# Altium PCB Thunderscope_Rev4.1.PCBDOC (part 1 of 7) (continued)
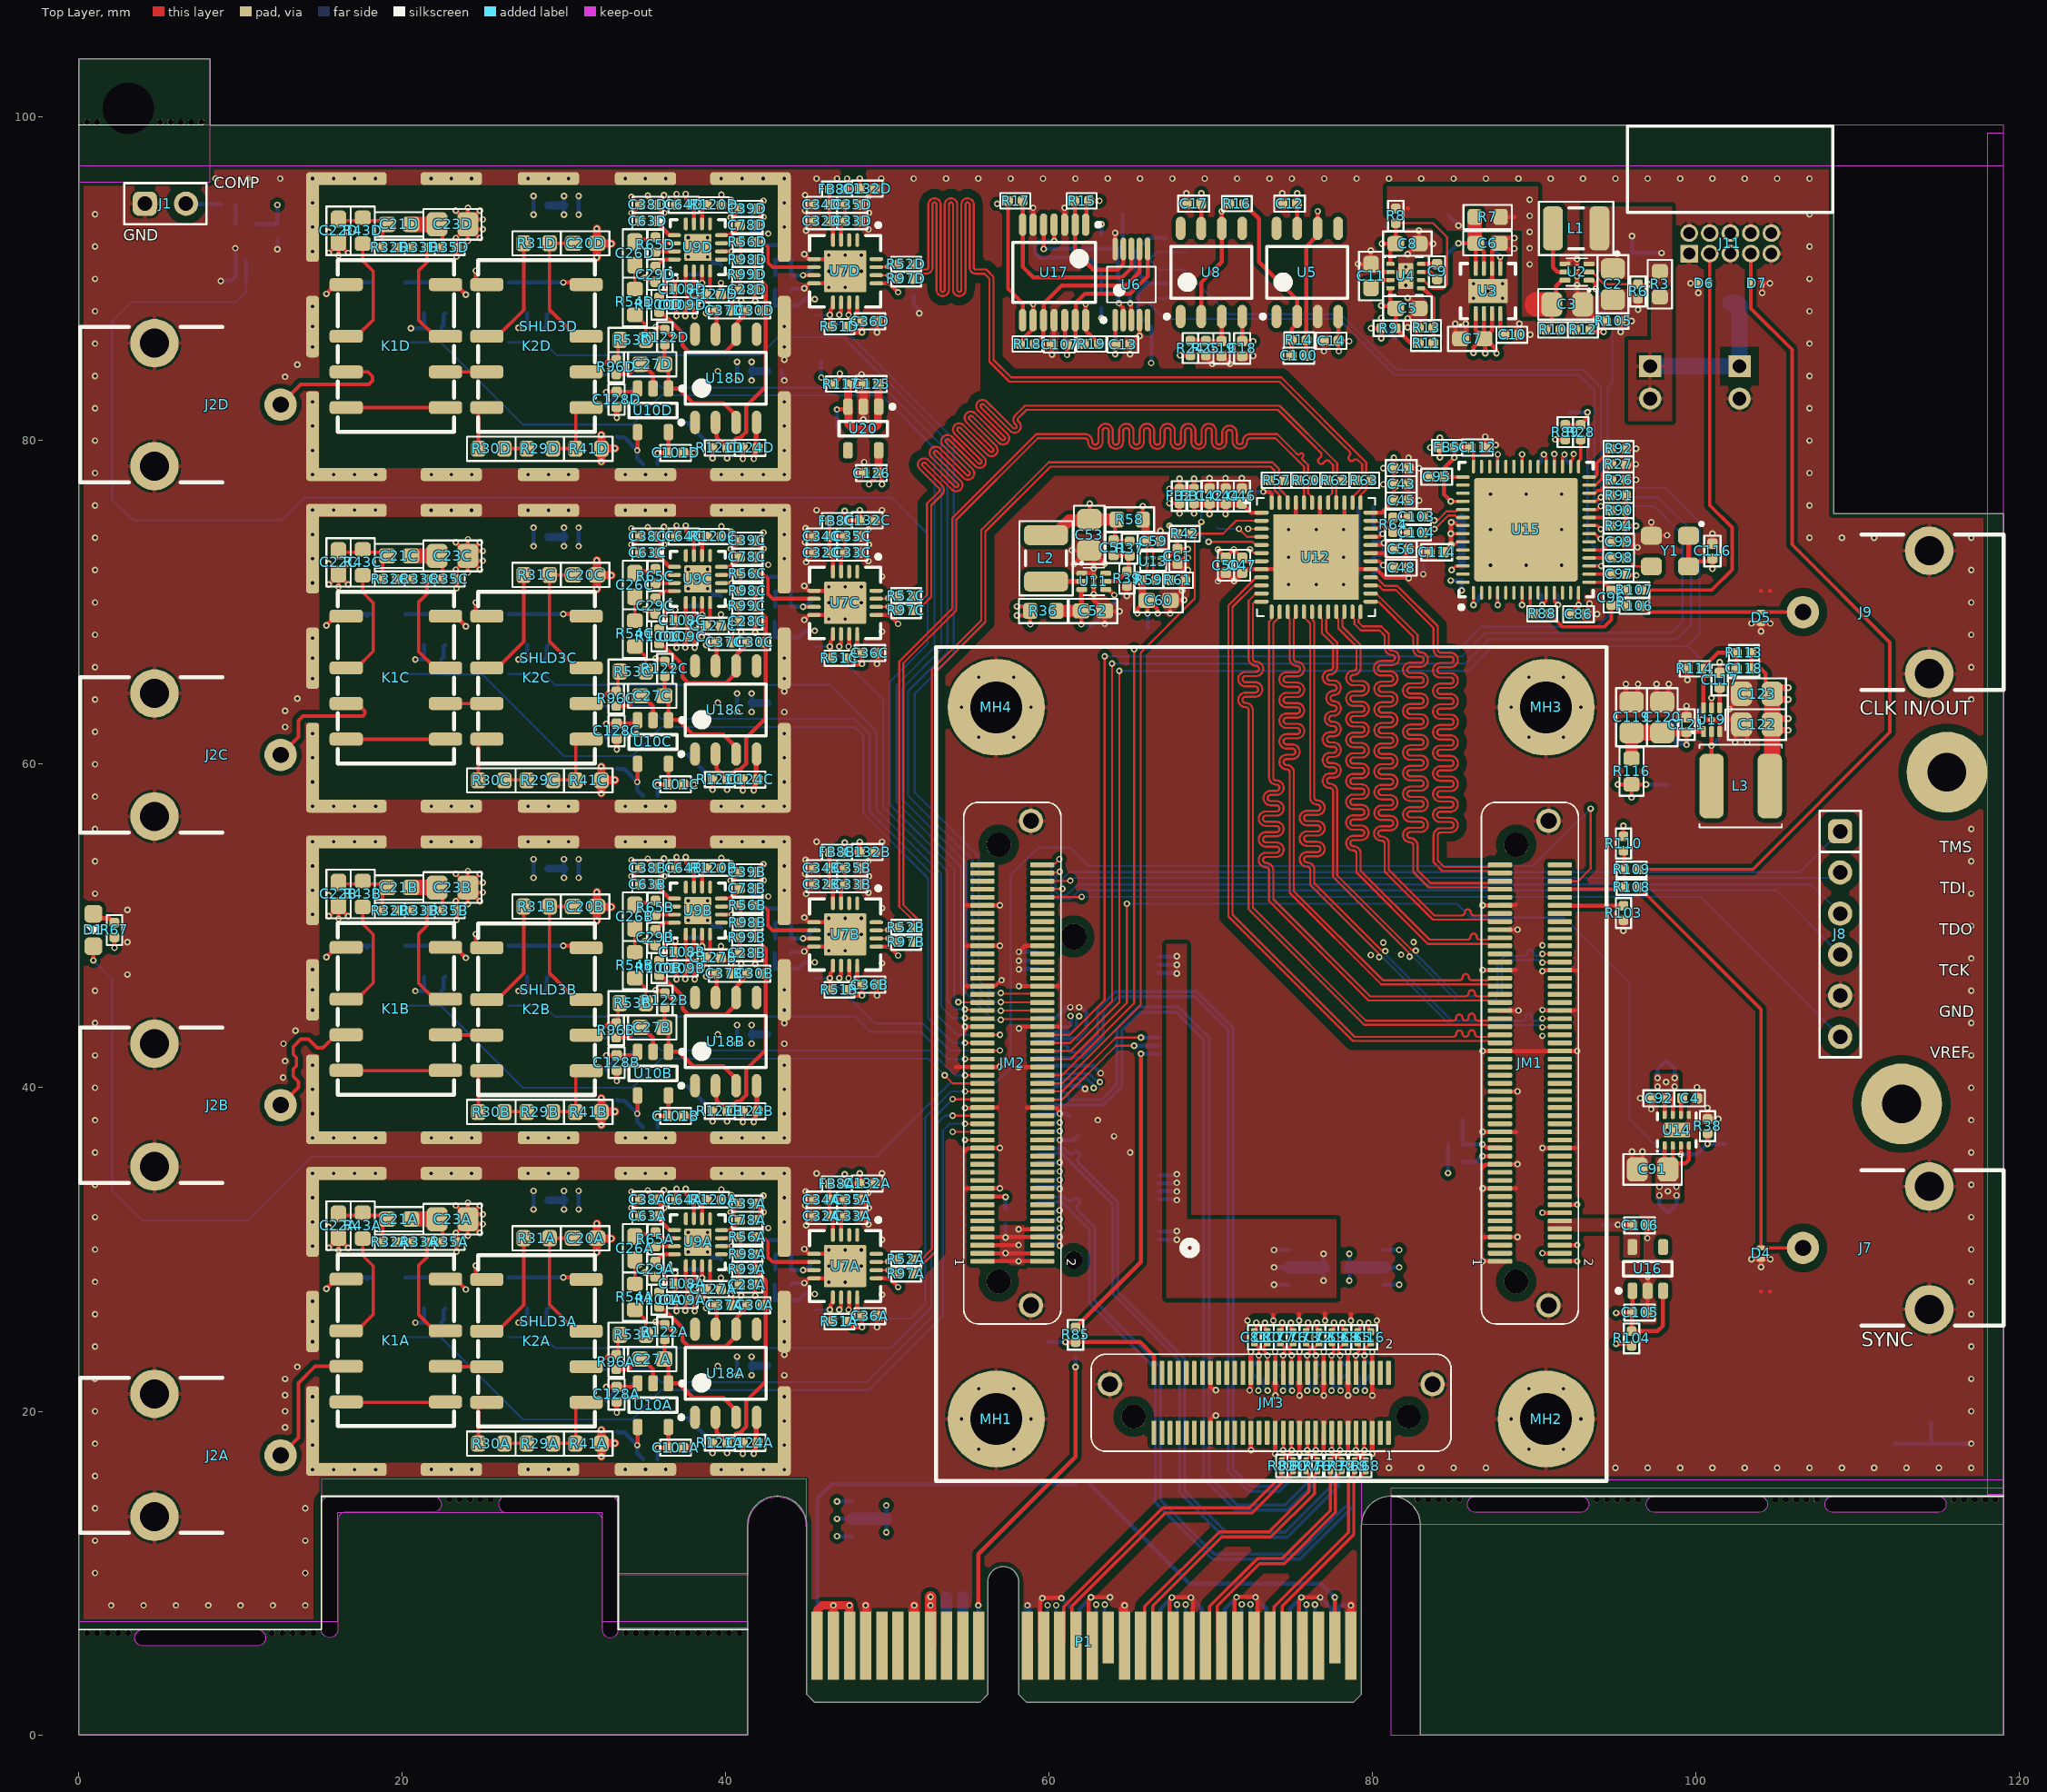
[diagram p0: Top Layer view]
## Classes and differential pairs
component class POWER: C2 C3 C4 C91 C92 C117 C118 C119 C120 C121 C122 C123 J12 J13 L1 L3 R3 R6 R10 R12 R38 R105 R113 R114 R115 TP3 TP18 TP32 TP47 U2 U14 U19
net class 50Z: NetJ2A_1 NetJ2B_1 NetJ2C_1 NetJ2D_1
differential pair class 100Z_Diff: D1A D1B D2A D2B D3A D3B D4A D4B FCLK LCLK
differential pair class PCIe: M2_PER0 M2_PER1 M2_PER2 M2_PER3 M2_PET0 M2_PET1 M2_PET2 M2_PET3 M2_REFCLK MGT_CLK1 MGT_RX0 MGT_RX1 MGT_RX2 MGT_RX3 MGT_TX0 MGT_TX1 MGT_TX2 MGT_TX3 PCIe_PER0 PCIe_PER1 PCIe_PER2 PCIe_PER3 PCIe_PET0 PCIe_PET1 PCIe_PET2 PCIe_PET3 PCIe_REFCLK
net class TERM_[4..1]: TERM_1 TERM_2 TERM_3 TERM_4
differential pair class 100Z_Diff_PGA: CH1 CH2 CH3 CH4
channel class FE_Channel: CH1 CH2 CH3 CH4
net class PGA_CSn_[4..1]: PGA_CSn_1 PGA_CSn_2 PGA_CSn_3 PGA_CSn_4
net class DC_CPL_[4..1]: DC_CPL_1 DC_CPL_2 DC_CPL_3 DC_CPL_4
net class ATTEN_[4..1]: ATTEN_1 ATTEN_2 ATTEN_3 ATTEN_4
component class PLL: C82 C83 C84 C85 C86 C87 C88 C89 C90 C93 C94 C95 C96 C97 C98 C99 C112 C113 C114 C115 C116 FB5 R26 R27 R28 R88 R89 R90 R91 R92 R93 R94 R111 TP42 TP43 TP44 U15 Y1
component class PCIe_X4: P1 R86 R87 R116 TP40 TP41 TP50 TP51
component class M.2_Key_M: J10 R95 TP45 TP46
component class "Front End": C5 C6 C7 C8 C9 C10 C11 C12 C13 C14 C17 C18 C19 C100 C107 C125 C126 Q1 Q2 R7 R8 R9 R11 R13 R14 R15 R16 R17 R18 R19 R20 R21 R22 R23 R24 R25 R117 TP9 TP10 TP11 TP12 TP13 TP15 TP16 TP17 TP19 TP20 TP21 TP52 TP53 TP54 U3 U4 U5 U6 U8 U17 U20
component class "FPGA Module": C15 C16 C40 C62 C65 C66 C67 C68 C69 C70 C71 C72 C73 C74 C75 C76 C77 C79 C80 C81 C105 C106 D1 J8 JM1 JM2 JM3 MH1 MH2 MH3 MH4 R66 R67 R68 R69 R70 R71 R72 R73 R74 R75 R76 R77 R78 R79 R80 R81 R82 R83 R84 R85 R101 R102 R103 R104 TP2 TP14 TP30 TP31 TP39 U16
component class "Edge Connector": P1
component class CH4: C20D C21D C22D C23D C26D C27D C28D C29D C30D C31D C32D C33D C34D C35D C36D C37D C38D C39D C63D C64D C78D C101D C102D C108D C109D C110D C111D C124D C127D C128D C129D C130D C131D C132D C133D D2D D3D FB4D FB6D FB7D FB8D FB9D FB10D J2D J3D J4D K1D K2D Q3D Q4D Q5D R29D R30D R31D R32D R33D R35D R41D R43D R47D R48D R49D R50D R51D R52D R53D R54D R55D R56D R65D R96D R97D R98D R99D R100D R118D R119D R120D R121D R122D R123D R124D R125D R126D R127D SHLD3D TP22D TP23D TP24D TP25D TP26D U7D U9D U10D U18D
component class CH3: C20C C21C C22C C23C C26C C27C C28C C29C C30C C31C C32C C33C C34C C35C C36C C37C C38C C39C C63C C64C C78C C101C C102C C108C C109C C110C C111C C124C C127C C128C C129C C130C C131C C132C C133C D2C D3C FB4C FB6C FB7C FB8C FB9C FB10C J2C J3C J4C K1C K2C Q3C Q4C Q5C R29C R30C R31C R32C R33C R35C R41C R43C R47C R48C R49C R50C R51C R52C R53C R54C R55C R56C R65C R96C R97C R98C R99C R100C R118C R119C R120C R121C R122C R123C R124C R125C R126C R127C SHLD3C TP22C TP23C TP24C TP25C TP26C U7C U9C U10C U18C
component class CH2: C20B C21B C22B C23B C26B C27B C28B C29B C30B C31B C32B C33B C34B C35B C36B C37B C38B C39B C63B C64B C78B C101B C102B C108B C109B C110B C111B C124B C127B C128B C129B C130B C131B C132B C133B D2B D3B FB4B FB6B FB7B FB8B FB9B FB10B J2B J3B J4B K1B K2B Q3B Q4B Q5B R29B R30B R31B R32B R33B R35B R41B R43B R47B R48B R49B R50B R51B R52B R53B R54B R55B R56B R65B R96B R97B R98B R99B R100B R118B R119B R120B R121B R122B R123B R124B R125B R126B R127B SHLD3B TP22B TP23B TP24B TP25B TP26B U7B U9B U10B U18B
component class CH1: C20A C21A C22A C23A C26A C27A C28A C29A C30A C31A C32A C33A C34A C35A C36A C37A C38A C39A C63A C64A C78A C101A C102A C108A C109A C110A C111A C124A C127A C128A C129A C130A C131A C132A C133A D2A D3A FB4A FB6A FB7A FB8A FB9A FB10A J2A J3A J4A K1A K2A Q3A Q4A Q5A R29A R30A R31A R32A R33A R35A R41A R43A R47A R48A R49A R50A R51A R52A R53A R54A R55A R56A R65A R96A R97A R98A R99A R100A R118A R119A R120A R121A R122A R123A R124A R125A R126A R127A SHLD3A TP22A TP23A TP24A TP25A TP26A U7A U9A U10A U18A
component class ADC: C41 C42 C43 C44 C45 C46 C47 C48 C49 C50 C51 C52 C53 C54 C55 C56 C57 C58 C59 C60 C61 C103 C104 C134 FB1 FB2 FB3 J5 J6 L2 R36 R37 R39 R42 R44 R46 R57 R58 R59 R60 R61 R62 R63 R64 TP27 TP28 TP29 TP34 TP35 TP36 TP37 TP38 U11 U12 U13
component class Main: C1 D4 D5 D6 D7 J1 J7 J9 J11 R1 R2 R106 R107 R108 R109 R110 TP5 TP6 TP7 TP33 U1
differential pair ADC_CLK_C: +ADC_CLK_C_P -ADC_CLK_C_N
differential pair PCIe_REFCLK: +PCIe_REFCLK_P -PCIe_REFCLK_N
differential pair PCIe_PET3: +PCIe_PET3_P -PCIe_PET3_N
differential pair PCIe_PET2: +PCIe_PET2_P -PCIe_PET2_N
differential pair PCIe_PET1: +PCIe_PET1_P -PCIe_PET1_N
differential pair PCIe_PET0: +PCIe_PET0_P -PCIe_PET0_N
differential pair PCIe_PER3: +PCIe_PER3_P -PCIe_PER3_N
differential pair PCIe_PER2: +PCIe_PER2_P -PCIe_PER2_N
differential pair PCIe_PER1: +PCIe_PER1_P -PCIe_PER1_N
differential pair PCIe_PER0: +PCIe_PER0_P -PCIe_PER0_N
differential pair OUT_RD: +OUT_RD_P -OUT_RD_N
differential pair OUT_RC: +OUT_RC_P -OUT_RC_N
differential pair OUT_RB: +OUT_RB_P -OUT_RB_N
differential pair OUT_RA: +OUT_RA_P -OUT_RA_N
differential pair MGT_TX3: +MGT_TX3_P -MGT_TX3_N
differential pair MGT_TX2: +MGT_TX2_P -MGT_TX2_N
differential pair MGT_TX1: +MGT_TX1_P -MGT_TX1_N
differential pair MGT_TX0: +MGT_TX0_P -MGT_TX0_N
differential pair MGT_RX3: +MGT_RX3_P -MGT_RX3_N
differential pair MGT_RX2: +MGT_RX2_P -MGT_RX2_N
differential pair MGT_RX1: +MGT_RX1_P -MGT_RX1_N
differential pair MGT_RX0: +MGT_RX0_P -MGT_RX0_N
differential pair MGT_CLK1: +MGT_CLK1_P -MGT_CLK1_N
differential pair M2_REFCLK: +M2_REFCLK_P -M2_REFCLK_N
differential pair M2_PET3: +M2_PET3_P -M2_PET3_N
differential pair M2_PET2: +M2_PET2_P -M2_PET2_N
differential pair M2_PET1: +M2_PET1_P -M2_PET1_N
differential pair M2_PET0: +M2_PET0_P -M2_PET0_N
differential pair M2_PER3: +M2_PER3_P -M2_PER3_N
differential pair M2_PER2: +M2_PER2_P -M2_PER2_N
differential pair M2_PER1: +M2_PER1_P -M2_PER1_N
differential pair M2_PER0: +M2_PER0_P -M2_PER0_N
differential pair LCLK: +LCLK_P -LCLK_N
differential pair FCLK: +FCLK_P -FCLK_N
differential pair D4B: +D4B_P -D4B_N
differential pair D4A: +D4A_P -D4A_N
differential pair D3B: +D3B_P -D3B_N
differential pair D3A: +D3A_P -D3A_N
differential pair D2B: +D2B_P -D2B_N
differential pair D2A: +D2A_P -D2A_N
differential pair D1B: +D1B_P -D1B_N
differential pair D1A: +D1A_P -D1A_N
differential pair CH4: +CH4_P -CH4_N
differential pair CH3: +CH3_P -CH3_N
differential pair CH2: +CH2_P -CH2_N
differential pair CH1: +CH1_P -CH1_N
differential pair ADC_CLK: +ADC_CLK_P -ADC_CLK_N

## Components (designator, comment, footprint, x,y, rotation, side; value= is the part's Value field where it differs from the comment)
C1 "100nF" GEN_C_0402 12.275,92.95 r270 bottom
C2 "22uF" GEN_C_0805 94.85,89.675 r90 top
C3 "22uF" GEN_C_0805 92.025,88.425 r180 top
C4 "1nF" GEN_C_0402 99.59,39.35 r180 top
C5 "10uF" GEN_C_0603 82.141,88.176 r180 top
C6 "10uF" GEN_C_0603 87.095,92.2 r180 top
C7 "10uF" GEN_C_0603 86.15,86.3 r0 top
C8 "10uF" GEN_C_0603 82.141,92.176 r180 top
C9 "1uF" GEN_C_0402 83.975,90.45 r90 top
C10 "10nF" GEN_C_0402 88.6,86.55 r180 top
C11 "10uF" GEN_C_0603 79.891,90.176 r270 top
C12 "100nF" GEN_C_0402 74.855,94.65 r180 top
C13 "100nF" GEN_C_0402 64.55,85.95 r180 top
C14 "100nF" GEN_C_0402 77.43,86.175 r0 top
C15 "100nF" GEN_C_0201 79.075,22.55 r90 bottom
C16 "100nF" GEN_C_0201 79.875,24.575 r270 top
C17 "100nF" GEN_C_0402 68.925,94.65 r180 top
C18 "100nF" GEN_C_0402 71.925,85.7 r90 top
C19 "100nF" GEN_C_0402 70.65,85.7 r90 top
C20A "2pF" GEN_C_0603 31.3,30.7 r0 top (schematic designator C20)
C20B "2pF" GEN_C_0603 31.3,51.2 r0 top (schematic designator C20)
C20C "2pF" GEN_C_0603 31.3,71.7 r0 top (schematic designator C20)
C20D "2pF" GEN_C_0603 31.3,92.2 r0 top (schematic designator C20)
C21A "5.1pF" GEN_C_0603 19.8,31.875 r180 top (schematic designator C21)
C21B "5.1pF" GEN_C_0603 19.8,52.375 r180 top (schematic designator C21)
C21C "5.1pF" GEN_C_0603 19.8,72.875 r180 top (schematic designator C21)
C21D "5.1pF" GEN_C_0603 19.8,93.375 r180 top (schematic designator C21)
C22A "2pF" GEN_C_0603 16.05,31.475 r90 top (schematic designator C22)
C22B "2pF" GEN_C_0603 16.05,51.975 r90 top (schematic designator C22)
C22C "2pF" GEN_C_0603 16.05,72.475 r90 top (schematic designator C22)
C22D "2pF" GEN_C_0603 16.05,92.975 r90 top (schematic designator C22)
C23A "240pF" GEN_C_0805 23.1,31.875 r180 top (schematic designator C23)
C23B "240pF" GEN_C_0805 23.1,52.375 r180 top (schematic designator C23)
C23C "240pF" GEN_C_0805 23.1,72.875 r180 top (schematic designator C23)
C23D "240pF" GEN_C_0805 23.1,93.375 r180 top (schematic designator C23)
C26A "22nF" GEN_C_0603 34.375,30.075 r270 top (schematic designator C26)
C26B "22nF" GEN_C_0603 34.375,50.575 r270 top (schematic designator C26)
C26C "22nF" GEN_C_0603 34.375,71.075 r270 top (schematic designator C26)
C26D "22nF" GEN_C_0603 34.375,91.575 r270 top (schematic designator C26)
C27A "22nF" GEN_C_0603 35.45,23.225 r0 top (schematic designator C27)
C27B "22nF" GEN_C_0603 35.45,43.725 r0 top (schematic designator C27)
C27C "22nF" GEN_C_0603 35.45,64.225 r0 top (schematic designator C27)
C27D "22nF" GEN_C_0603 35.45,84.725 r0 top (schematic designator C27)
C28A "100nF" GEN_C_0402 41.325,27.825 r0 top (schematic designator C28)
C28B "100nF" GEN_C_0402 41.325,48.325 r0 top (schematic designator C28)
C28C "100nF" GEN_C_0402 41.325,68.825 r0 top (schematic designator C28)
C28D "100nF" GEN_C_0402 41.325,89.325 r0 top (schematic designator C28)
C29A "100pF" GEN_C_0402 35.65,28.775 r90 top (schematic designator C29)
C29B "100pF" GEN_C_0402 35.65,49.275 r90 top (schematic designator C29)
C29C "100pF" GEN_C_0402 35.65,69.775 r90 top (schematic designator C29)
C29D "100pF" GEN_C_0402 35.65,90.275 r90 top (schematic designator C29)
C30A "100pF" GEN_C_0402 41.8,26.55 r0 top (schematic designator C30)
C30B "100pF" GEN_C_0402 41.8,47.05 r0 top (schematic designator C30)
C30C "100pF" GEN_C_0402 41.8,67.55 r0 top (schematic designator C30)
C30D "100pF" GEN_C_0402 41.8,88.05 r0 top (schematic designator C30)
C31A "100nF" GEN_C_0402 44.025,28.25 r270 bottom (schematic designator C31)
C31B "100nF" GEN_C_0402 44.025,48.75 r270 bottom (schematic designator C31)
C31C "100nF" GEN_C_0402 44.025,69.25 r270 bottom (schematic designator C31)
C31D "100nF" GEN_C_0402 44.025,89.75 r270 bottom (schematic designator C31)
C32A "1nF" GEN_C_0402 45.925,32.075 r0 top (schematic designator C32)
C32B "1nF" GEN_C_0402 45.925,52.575 r0 top (schematic designator C32)
C32C "1nF" GEN_C_0402 45.925,73.075 r0 top (schematic designator C32)
C32D "1nF" GEN_C_0402 45.925,93.575 r0 top (schematic designator C32)
C33A "10nF" GEN_C_0402 47.825,32.075 r180 top (schematic designator C33)
C33B "10nF" GEN_C_0402 47.825,52.575 r180 top (schematic designator C33)
C33C "10nF" GEN_C_0402 47.825,73.075 r180 top (schematic designator C33)
C33D "10nF" GEN_C_0402 47.825,93.575 r180 top (schematic designator C33)
C34A "100nF" GEN_C_0402 45.925,33.075 r0 top (schematic designator C34)
C34B "100nF" GEN_C_0402 45.925,53.575 r0 top (schematic designator C34)
C34C "100nF" GEN_C_0402 45.925,74.075 r0 top (schematic designator C34)
C34D "100nF" GEN_C_0402 45.925,94.575 r0 top (schematic designator C34)
C35A "1uF" GEN_C_0402 47.825,33.075 r180 top (schematic designator C35)
C35B "1uF" GEN_C_0402 47.825,53.575 r180 top (schematic designator C35)
C35C "1uF" GEN_C_0402 47.825,74.075 r180 top (schematic designator C35)
C35D "1uF" GEN_C_0402 47.825,94.575 r180 top (schematic designator C35)
C36A "100nF" GEN_C_0402 48.9,25.875 r180 top (schematic designator C36)
C36B "100nF" GEN_C_0402 48.9,46.375 r180 top (schematic designator C36)
C36C "100nF" GEN_C_0402 48.9,66.875 r180 top (schematic designator C36)
C36D "100nF" GEN_C_0402 48.9,87.375 r180 top (schematic designator C36)
C37A "100nF" GEN_C_0402 39.9,26.55 r180 top (schematic designator C37)
C37B "100nF" GEN_C_0402 39.9,47.05 r180 top (schematic designator C37)
C37C "100nF" GEN_C_0402 39.9,67.55 r180 top (schematic designator C37)
C37D "100nF" GEN_C_0402 39.9,88.05 r180 top (schematic designator C37)
C38A "2.2uF" GEN_C_0402 35.175,33.075 r180 top (schematic designator C38)
C38B "2.2uF" GEN_C_0402 35.175,53.575 r180 top (schematic designator C38)
C38C "2.2uF" GEN_C_0402 35.175,74.075 r180 top (schematic designator C38)
C38D "2.2uF" GEN_C_0402 35.175,94.575 r180 top (schematic designator C38)
C39A "100nF" GEN_C_0402 41.325,32.825 r0 top (schematic designator C39)
C39B "100nF" GEN_C_0402 41.325,53.325 r0 top (schematic designator C39)
C39C "100nF" GEN_C_0402 41.325,73.825 r0 top (schematic designator C39)
C39D "100nF" GEN_C_0402 41.325,94.325 r0 top (schematic designator C39)
C40 "100nF" GEN_C_0201 73.475,22.55 r90 bottom
C41 "1uF" GEN_C_0402 81.757,78.3 r180 top
C42 "1uF" GEN_C_0402 69.907,76.577 r270 top
C43 "10nF" GEN_C_0402 81.757,77.3 r180 top
C44 "10nF" GEN_C_0402 70.907,76.577 r270 top
C45 "1nF" GEN_C_0402 81.757,76.3 r180 top
C46 "1nF" GEN_C_0402 71.907,76.577 r270 top
C47 "10nF" GEN_C_0402 71.925,72.3 r90 top
C48 "10nF" GEN_C_0402 81.757,72.15 r180 top
C49 "1uF" GEN_C_0402 79.575,71.775 r0 bottom
C50 "1uF" GEN_C_0402 70.925,72.3 r90 top
C51 "39pF" GEN_C_0402 63.975,73.375 r90 top
C52 "10uF" GEN_C_0603 62.7,69.475 r180 top
C53 "22uF" GEN_C_0805 62.475,74.175 r90 top
C54 "1uF" GEN_C_0402 79.575,73.775 r0 bottom
C55 "10nF" GEN_C_0402 79.575,72.775 r0 bottom
C56 "1nF" GEN_C_0402 81.757,73.3 r180 top
C57 "10nF" GEN_C_0402 79.575,74.825 r0 bottom
C58 "1uF" GEN_C_0402 79.575,75.875 r0 bottom
C59 "100nF" GEN_C_0402 66.425,73.775 r180 top
C60 "10uF" GEN_C_0603 66.75,70.125 r180 top
C61 "2.2uF" GEN_C_0402 67.925,72.85 r90 top
C62 "100nF" GEN_C_0201 79.875,22.55 r90 bottom
C63A "100nF" GEN_C_0402 35.175,32.075 r180 top (schematic designator C63)
C63B "100nF" GEN_C_0402 35.175,52.575 r180 top (schematic designator C63)
C63C "100nF" GEN_C_0402 35.175,73.075 r180 top (schematic designator C63)
C63D "100nF" GEN_C_0402 35.175,93.575 r180 top (schematic designator C63)
C64A "100nF" GEN_C_0402 37.4,33.075 r0 top (schematic designator C64)
C64B "100nF" GEN_C_0402 37.4,53.575 r0 top (schematic designator C64)
C64C "100nF" GEN_C_0402 37.4,74.075 r0 top (schematic designator C64)
C64D "100nF" GEN_C_0402 37.4,94.575 r0 top (schematic designator C64)
C65 "100nF" GEN_C_0201 79.075,24.575 r270 top
C66 "100nF" GEN_C_0201 78.275,22.55 r90 bottom
C67 "100nF" GEN_C_0201 77.475,22.55 r90 bottom
C68 "100nF" GEN_C_0201 78.275,24.575 r270 top
C69 "100nF" GEN_C_0201 77.475,24.575 r270 top
C70 "100nF" GEN_C_0201 76.675,22.55 r90 bottom
C71 "100nF" GEN_C_0201 75.875,22.55 r90 bottom
C72 "100nF" GEN_C_0201 76.675,24.575 r270 top
C73 "100nF" GEN_C_0201 75.875,24.575 r270 top
C74 "100nF" GEN_C_0201 75.075,22.55 r90 bottom
C75 "100nF" GEN_C_0201 74.275,22.55 r90 bottom
C76 "100nF" GEN_C_0201 75.075,24.575 r270 top
C77 "100nF" GEN_C_0201 74.275,24.575 r270 top
C78A "100nF" GEN_C_0402 41.325,31.825 r180 top (schematic designator C78)
C78B "100nF" GEN_C_0402 41.325,52.325 r180 top (schematic designator C78)
C78C "100nF" GEN_C_0402 41.325,72.825 r180 top (schematic designator C78)
C78D "100nF" GEN_C_0402 41.325,93.325 r180 top (schematic designator C78)
C79 "100nF" GEN_C_0201 72.675,22.55 r90 bottom
C80 "100nF" GEN_C_0201 73.475,24.575 r270 top
C81 "100nF" GEN_C_0201 72.675,24.575 r270 top
C82 "1uF" GEN_C_0402 85.975,75.25 r0 bottom
C83 "1uF" GEN_C_0402 87.725,78.025 r270 bottom
C84 "1uF" GEN_C_0402 90.225,78.05 r270 bottom
C85 "1uF" GEN_C_0402 92.225,78.05 r270 bottom
C86 "1uF" GEN_C_0402 92.725,69.275 r0 top
C87 "1uF" GEN_C_0402 90.325,70.975 r90 bottom
C88 "1uF" GEN_C_0402 91.225,78.05 r270 bottom
C89 "1uF" GEN_C_0402 87.725,70.975 r90 bottom
C90 "1uF" GEN_C_0402 86.725,70.975 r90 bottom
C91 "22uF" GEN_C_0805 97.3,34.95 r0 top
C92 "1uF" GEN_C_0402 97.675,39.35 r0 top
C93 "1uF" GEN_C_0402 91.325,70.975 r90 bottom
C94 "1uF" GEN_C_0402 93,72.25 r180 bottom
C95 "1uF" GEN_C_0402 83.95,77.775 r180 top
C96 "0" GEN_R_0402 94.75,70.3 r270 top
C97 "0" GEN_R_0402 95.2,71.75 r0 top
C98 "100nF" GEN_C_0402 95.2,72.75 r0 top
C99 "100nF" GEN_C_0402 95.2,73.75 r0 top
C100 "100nF" GEN_C_0402 75.425,85.25 r180 top
C101A "100nF" GEN_C_0402 36.9,17.75 r180 top (schematic designator C101)
C101B "100nF" GEN_C_0402 36.9,38.25 r180 top (schematic designator C101)
C101C "100nF" GEN_C_0402 36.9,58.75 r180 top (schematic designator C101)
C101D "100nF" GEN_C_0402 36.9,79.25 r180 top (schematic designator C101)
C102A "2.2uF" GEN_C_0402 37.3,26.875 r0 bottom (schematic designator C102)
C102B "2.2uF" GEN_C_0402 37.3,47.375 r0 bottom (schematic designator C102)
C102C "2.2uF" GEN_C_0402 37.3,67.875 r0 bottom (schematic designator C102)
C102D "2.2uF" GEN_C_0402 37.3,88.375 r0 bottom (schematic designator C102)
C103 "0" GEN_R_0402 82.675,75.3 r0 top
C104 "0" GEN_R_0402 82.675,74.3 r0 top
C105 "1uF" GEN_C_0402 96.5,26.1 r180 top
C106 "1uF" GEN_C_0402 96.5,31.5 r180 top
C107 "100nF" GEN_C_0402 60.625,85.95 r0 top
C108A "100nF" GEN_C_0402 37.3,27.875 r0 top (schematic designator C108)
C108B "100nF" GEN_C_0402 37.3,48.375 r0 top (schematic designator C108)
C108C "100nF" GEN_C_0402 37.3,68.875 r0 top (schematic designator C108)
C108D "100nF" GEN_C_0402 37.3,89.375 r0 top (schematic designator C108)
C109A "100nF" GEN_C_0402 37.3,26.875 r180 top (schematic designator C109)
C109B "100nF" GEN_C_0402 37.3,47.375 r180 top (schematic designator C109)
C109C "100nF" GEN_C_0402 37.3,67.875 r180 top (schematic designator C109)
C109D "100nF" GEN_C_0402 37.3,88.375 r180 top (schematic designator C109)
C110A "100nF" GEN_C_0402 39.725,29.825 r270 bottom (schematic designator C110)
C110B "100nF" GEN_C_0402 39.725,50.325 r270 bottom (schematic designator C110)
C110C "100nF" GEN_C_0402 39.725,70.825 r270 bottom (schematic designator C110)
C110D "100nF" GEN_C_0402 39.725,91.325 r270 bottom (schematic designator C110)
C111A "2.2uF" GEN_C_0402 43.025,22.8 r180 bottom (schematic designator C111)
C111B "2.2uF" GEN_C_0402 43.025,43.3 r180 bottom (schematic designator C111)
C111C "2.2uF" GEN_C_0402 43.025,63.8 r180 bottom (schematic designator C111)
C111D "2.2uF" GEN_C_0402 43.025,84.3 r180 bottom (schematic designator C111)
C112 "1uF" GEN_C_0402 86.475,79.575 r0 top
C113 "1uF" GEN_C_0402 89.225,70.975 r90 bottom
C114 "1uF" GEN_C_0402 83.95,73.1 r180 top
C115 "1uF" GEN_C_0402 85.975,74.25 r0 bottom
C116 "1uF" GEN_C_0402 101,73.175 r90 top
C117 "100nF" GEN_C_0402 101.45,65.2 r270 top
C118 "39pF" GEN_C_0402 102.95,65.9 r0 top
C119 "22uF" GEN_C_0805 96,62.9 r270 top
C120 "22uF" GEN_C_0805 97.9,62.9 r270 top
C121 "100nF" GEN_C_0402 99.4,62.45 r90 top
C122 "22uF" GEN_C_0805 103.75,62.45 r0 top
C123 "22uF" GEN_C_0805 103.75,64.35 r0 top
C124A "100nF" GEN_C_0402 41.5,18.05 r180 top (schematic designator C124)
C124B "100nF" GEN_C_0402 41.5,38.55 r180 top (schematic designator C124)
C124C "100nF" GEN_C_0402 41.5,59.05 r180 top (schematic designator C124)
C124D "100nF" GEN_C_0402 41.5,79.55 r180 top (schematic designator C124)
C125 "1uF" GEN_C_0402 49,83.5 r0 top
C126 "1uF" GEN_C_0402 49,78 r0 top
C127A "100nF" GEN_C_0402 39.225,27.55 r180 top (schematic designator C127)
C127B "100nF" GEN_C_0402 39.225,48.05 r180 top (schematic designator C127)
C127C "100nF" GEN_C_0402 39.225,68.55 r180 top (schematic designator C127)
C127D "100nF" GEN_C_0402 39.225,89.05 r180 top (schematic designator C127)
C128A "100nF" GEN_C_0402 33.25,21.05 r90 top (schematic designator C128)
C128B "100nF" GEN_C_0402 33.25,41.55 r90 top (schematic designator C128)
C128C "100nF" GEN_C_0402 33.25,62.05 r90 top (schematic designator C128)
C128D "100nF" GEN_C_0402 33.25,82.55 r90 top (schematic designator C128)
C129A "100nF" GEN_C_0402 41.4,26.475 r0 bottom (schematic designator C129)
C129B "100nF" GEN_C_0402 41.4,46.975 r0 bottom (schematic designator C129)
C129C "100nF" GEN_C_0402 41.425,67.475 r0 bottom (schematic designator C129)
C129D "100nF" GEN_C_0402 41.4,87.975 r0 bottom (schematic designator C129)
C130A "100nF" GEN_C_0402 41.625,32.925 r90 bottom (schematic designator C130)
C130B "100nF" GEN_C_0402 41.625,53.425 r90 bottom (schematic designator C130)
C130C "100nF" GEN_C_0402 41.625,73.925 r90 bottom (schematic designator C130)
C130D "100nF" GEN_C_0402 41.625,94.425 r90 bottom (schematic designator C130)
C131A "100nF" GEN_C_0402 43.025,26.4 r270 bottom (schematic designator C131)
C131B "100nF" GEN_C_0402 43.025,46.9 r270 bottom (schematic designator C131)
C131C "100nF" GEN_C_0402 43.025,67.4 r270 bottom (schematic designator C131)
C131D "100nF" GEN_C_0402 43.025,87.9 r270 bottom (schematic designator C131)
C132A "1uF" GEN_C_0402 48.75,34.075 r180 top (schematic designator C132)
C132B "1uF" GEN_C_0402 48.75,54.575 r180 top (schematic designator C132)
C132C "1uF" GEN_C_0402 48.75,75.075 r180 top (schematic designator C132)
C132D "1uF" GEN_C_0402 48.75,95.575 r180 top (schematic designator C132)
C133A "2.2uF" GEN_C_0402 28.575,33.05 r180 bottom (schematic designator C133)
C133B "2.2uF" GEN_C_0402 28.575,53.55 r180 bottom (schematic designator C133)
C133C "2.2uF" GEN_C_0402 28.575,74.05 r180 bottom (schematic designator C133)
C133D "2.2uF" GEN_C_0402 28.575,94.55 r180 bottom (schematic designator C133)
C134 "100nF" GEN_C_0402 72.1,76.85 r0 bottom
D1 "GREEN" LED_0603_LTST-S270K 0.9,49.75 r90 top
D2A "1N4148" GEN_SOD_323 19.125,28.275 r0 bottom (schematic designator D2)
D2B "1N4148" GEN_SOD_323 19.125,48.775 r0 bottom (schematic designator D2)
D2C "1N4148" GEN_SOD_323 19.125,69.275 r0 bottom (schematic designator D2)
D2D "1N4148" GEN_SOD_323 19.125,89.775 r0 bottom (schematic designator D2)
D3A "1N4148" GEN_SOD_323 25.5,28.275 r0 bottom (schematic designator D3)
D3B "1N4148" GEN_SOD_323 25.5,48.775 r0 bottom (schematic designator D3)
D3C "1N4148" GEN_SOD_323 25.5,69.275 r0 bottom (schematic designator D3)
D3D "1N4148" GEN_SOD_323 25.5,89.775 r0 bottom (schematic designator D3)
D4 "TPD1E1B04" TI_X1SON_DPY0002A 104,29.75 r270 top
D5 "TPD1E1B04" TI_X1SON_DPY0002A 104,69.05 r270 top
D6 "TPD1E1B04" TI_X1SON_DPY0002A 100.475,89.725 r180 top
D7 "TPD1E1B04" TI_X1SON_DPY0002A 103.725,89.725 r0 top
FB1 "120@100MHZ" GEN_R_0402 68.95,76.575 r270 top
FB2 "120@100MHZ" GEN_R_0402 68.05,76.575 r270 top
FB3 "120@100MHZ" GEN_R_0402 85.5,71.825 r90 bottom
FB4A "0" GEN_R_0402 40.95,28.35 r270 bottom (schematic designator FB4)
FB4B "0" GEN_R_0402 40.95,48.85 r270 bottom (schematic designator FB4)
FB4C "0" GEN_R_0402 40.95,69.325 r270 bottom (schematic designator FB4)
FB4D "0" GEN_R_0402 40.95,89.85 r270 bottom (schematic designator FB4)
FB5 "120@100MHZ" GEN_R_0402 84.6,79.575 r0 top
FB6A "0" GEN_R_0402 41.625,31.025 r270 bottom (schematic designator FB6)
FB6B "0" GEN_R_0402 41.625,51.525 r270 bottom (schematic designator FB6)
FB6C "0" GEN_R_0402 41.625,72.025 r270 bottom (schematic designator FB6)
FB6D "0" GEN_R_0402 41.625,92.525 r270 bottom (schematic designator FB6)
FB7A "120@100MHZ" GEN_R_0402 43.05,28.275 r90 bottom (schematic designator FB7)
FB7B "120@100MHZ" GEN_R_0402 43.05,48.775 r90 bottom (schematic designator FB7)
FB7C "120@100MHZ" GEN_R_0402 43.05,69.275 r90 bottom (schematic designator FB7)
FB7D "120@100MHZ" GEN_R_0402 43.05,89.775 r90 bottom (schematic designator FB7)
FB8A "120@100MHZ" GEN_R_0402 46.875,34.05 r0 top (schematic designator FB8)
FB8B "120@100MHZ" GEN_R_0402 46.875,54.55 r0 top (schematic designator FB8)
FB8C "120@100MHZ" GEN_R_0402 46.875,75.05 r0 top (schematic designator FB8)
FB8D "120@100MHZ" GEN_R_0402 46.875,95.55 r0 top (schematic designator FB8)
FB9A "120@100MHZ" GEN_R_0402 41.15,22.8 r180 bottom (schematic designator FB9)
FB9B "120@100MHZ" GEN_R_0402 41.15,43.3 r180 bottom (schematic designator FB9)
FB9C "120@100MHZ" GEN_R_0402 41.15,63.8 r180 bottom (schematic designator FB9)
FB9D "120@100MHZ" GEN_R_0402 41.15,84.3 r180 bottom (schematic designator FB9)
FB10A "120@100MHZ" GEN_R_0402 30.45,33.05 r0 bottom (schematic designator FB10)
FB10B "120@100MHZ" GEN_R_0402 30.45,53.55 r0 bottom (schematic designator FB10)
FB10C "120@100MHZ" GEN_R_0402 30.45,74.05 r0 bottom (schematic designator FB10)
FB10D "120@100MHZ" GEN_R_0402 30.45,94.55 r0 bottom (schematic designator FB10)
J1 "TSW-101-08-F-D-RA" GEN_2.54MM_1X2_PIN_TH_RA 5.35,94.65 r0 top
J2A "BNC" MOL_0731000105 8.575,17.275 r90 top locked (schematic designator J2)
J2B "BNC" MOL_0731000105 8.575,38.925 r90 top locked (schematic designator J2)
J2C "BNC" MOL_0731000105 8.575,60.575 r90 top locked (schematic designator J2)
J2D "BNC" MOL_0731000105 8.575,82.225 r90 top locked (schematic designator J2)
J3A "UFL" TE_2334884-1 50.65,27.45 r0 bottom (schematic designator J3)
J3B "UFL" TE_2334884-1 50.65,47.95 r0 bottom (schematic designator J3)
J3C "UFL" TE_2334884-1 50.65,68.45 r0 bottom (schematic designator J3)
J3D "UFL" TE_2334884-1 50.65,88.95 r0 bottom (schematic designator J3)
J4A "UFL" TE_2334884-1 50.631,30.416 r180 bottom (schematic designator J4)
J4B "UFL" TE_2334884-1 50.631,50.916 r180 bottom (schematic designator J4)
J4C "UFL" TE_2334884-1 50.631,71.416 r180 bottom (schematic designator J4)
J4D "UFL" TE_2334884-1 50.631,91.916 r180 bottom (schematic designator J4)
J5 "UFL" TE_2334884-1 83.125,73.325 r0 bottom
J6 "UFL" TE_2334884-1 83.125,76.275 r180 bottom
J7 "BNC" MOL_0731000105 110.5,30.1 r270 top locked
J8 "2.54mm 6 Pin TH" GEN_2.54MM_6_PIN_TH_RA 108.9,49.5 r270 top
J9 "BNC" MOL_0731000105 110.5,69.4 r270 top
J10 "CONN M.2 Key M FEMALE" TE_M2_KEYM_2199230 63,39.35 r90 bottom locked
J11 "1.27mm 6 Pin TH" GEN_1.27mm_2x5_Pin_TH_RA 102.105,92.2 r0 top
J12 "B2B-PH-K-S(LF)(SN)" JST_B2B-PH-K-S(LF)(SN) 97.7,83.6 r90 bottom
J13 "B2B-PH-K-S(LF)(SN)" JST_B2B-PH-K-S(LF)(SN) 103.225,83.6 r90 bottom
JM1 "LSHM-150-02.5-L-DV-A-S-K-TR" SAM_LSHM-150-XX.X-XX-DV-A-S 89.717,41.521 r270 top locked
JM2 "LSHM-150-02.5-L-DV-A-S-K-TR" SAM_LSHM-150-XX.X-XX-DV-A-S 57.717,41.521 r270 top locked
JM3 "LSHM-130-02.5-L-DV-A-S-K-TR" SAM_LSHM-130-XX.X-XX-DV-A-S 73.718,20.522 r0 top locked
K1A "FTR-B3SA4.5Z" FUJ_FTR-B3SA 19.6,24.375 r270 top (schematic designator K1)
K1B "FTR-B3SA4.5Z" FUJ_FTR-B3SA 19.6,44.875 r270 top (schematic designator K1)
K1C "FTR-B3SA4.5Z" FUJ_FTR-B3SA 19.6,65.35 r270 top (schematic designator K1)
K1D "FTR-B3SA4.5Z" FUJ_FTR-B3SA 19.6,85.85 r270 top (schematic designator K1)
K2A "FTR-B3SA4.5Z" FUJ_FTR-B3SA 28.295,24.35 r270 top (schematic designator K2)
K2B "FTR-B3SA4.5Z" FUJ_FTR-B3SA 28.295,44.85 r270 top (schematic designator K2)
K2C "FTR-B3SA4.5Z" FUJ_FTR-B3SA 28.295,65.35 r270 top (schematic designator K2)
K2D "FTR-B3SA4.5Z" FUJ_FTR-B3SA 28.295,85.85 r270 top (schematic designator K2)
L1 "1uH" GEN_L_1210 92.575,93.125 r180 top
L2 "1uH" GEN_L_1210 59.8,72.725 r90 top
L3 "4.7uH" TY_IND_NRS5030 102.75,58.65 r0 top
MH1 "M3" "MH M3" 56.717,19.521 r0 top locked
MH2 "M3" "MH M3" 90.717,19.521 r0 top locked
MH3 "M3" "MH M3" 90.717,63.521 r0 top locked
MH4 "M3" "MH M3" 56.717,63.521 r0 top locked
P1 "PCIeX4-GF-2D-1000-1K-O64" PCIeX4-GF-2D-1000-1K-O64 55.15,5.5 r0 top locked
Q1 "DMN62D0UW" GEN_SOT_323 65.175,91.85 r270 bottom
Q2 "DMN62D0UW" GEN_SOT_323 65.175,89.1 r270 bottom
Q3A "DMN62D0UW" GEN_SOT_323 22,27.325 r180 bottom (schematic designator Q3)
Q3B "DMN62D0UW" GEN_SOT_323 22,47.825 r180 bottom (schematic designator Q3)
Q3C "DMN62D0UW" GEN_SOT_323 22,68.325 r180 bottom (schematic designator Q3)
Q3D "DMN62D0UW" GEN_SOT_323 22,88.825 r180 bottom (schematic designator Q3)
Q4A "DMN62D0UW" GEN_SOT_323 28.375,27.325 r180 bottom (schematic designator Q4)
Q4B "DMN62D0UW" GEN_SOT_323 28.375,47.825 r180 bottom (schematic designator Q4)
Q4C "DMN62D0UW" GEN_SOT_323 28.375,68.325 r180 bottom (schematic designator Q4)
Q4D "DMN62D0UW" GEN_SOT_323 28.375,88.825 r180 bottom (schematic designator Q4)
Q5A "DMN62D0UW" GEN_SOT_323 33.275,19.7 r0 bottom (schematic designator Q5)
Q5B "DMN62D0UW" GEN_SOT_323 33.275,40.2 r0 bottom (schematic designator Q5)
Q5C "DMN62D0UW" GEN_SOT_323 33.275,60.7 r0 bottom (schematic designator Q5)
Q5D "DMN62D0UW" GEN_SOT_323 33.275,81.2 r0 bottom (schematic designator Q5)
R1 "0" GEN_R_0402 9.225,94.6 r0 bottom
R2 "10K" GEN_R_0402 9.875,89.9 r0 bottom
R3 "0.01" GEN_R_0603 97.75,89.675 r270 top
R6 "10K" GEN_R_0402 96.4,89.225 r270 top
R7 "0.01" GEN_R_0603 87.105,93.825 r180 top
R8 "0.1" GEN_R_0402 81.425,93.9 r270 top
R9 "0.1" GEN_R_0402 80.975,86.95 r180 top
R10 "680K" GEN_R_0402 91.15,86.85 r180 top
R11 "300K" GEN_R_0402 83.291,86.026 r180 top
R12 "90.9k" GEN_R_0402 93,86.85 r180 top
R13 "100k" GEN_R_0402 83.291,86.976 r0 top
R14 "10K" GEN_R_0402 75.45,86.225 r0 top
R15 "2K" GEN_R_0402 62,94.825 r180 top
R16 "10K" GEN_R_0402 71.6,94.65 r0 top
R17 "2K" GEN_R_0402 57.9,94.825 r0 top
R18 "2K" GEN_R_0402 58.65,85.975 r0 top
R19 "2K" GEN_R_0402 62.6,85.975 r180 top
R20 "10K" GEN_R_0402 67.2,92.1 r90 bottom
R21 "10K" GEN_R_0402 67.2,89.25 r90 bottom
R22 "10K" GEN_R_0402 63.225,92.3 r90 bottom
R23 "10K" GEN_R_0402 63.225,88.65 r270 bottom
R24 "10K" GEN_R_0402 68.725,85.725 r270 top
R25 "10K" GEN_R_0402 69.675,85.725 r90 top
R26 "1K" GEN_R_0402 95.2,77.575 r180 top
R27 "1K" GEN_R_0402 95.195,78.536 r180 top
R28 "1K" GEN_R_0402 92.85,80.525 r90 top
R29A "30" GEN_R_0603 28.5,18 r0 top (schematic designator R29)
R29B "30" GEN_R_0603 28.5,38.5 r0 top (schematic designator R29)
R29C "30" GEN_R_0603 28.5,59 r0 top (schematic designator R29)
R29D "30" GEN_R_0603 28.5,79.5 r0 top (schematic designator R29)
R30A "10" GEN_R_0603 25.5,18 r0 top (schematic designator R30)
R30B "10" GEN_R_0603 25.5,38.5 r0 top (schematic designator R30)
R30C "10" GEN_R_0603 25.5,59 r0 top (schematic designator R30)
R30D "10" GEN_R_0603 25.5,79.5 r0 top (schematic designator R30)
R31A "10" GEN_R_0603 28.3,30.7 r0 top (schematic designator R31)
R31B "10" GEN_R_0603 28.3,51.2 r0 top (schematic designator R31)
R31C "10" GEN_R_0603 28.3,71.7 r0 top (schematic designator R31)
R31D "10" GEN_R_0603 28.3,92.2 r0 top (schematic designator R31)
R32A "300K" GEN_R_0402 19.225,30.45 r0 top (schematic designator R32)
R32B "300K" GEN_R_0402 19.225,50.95 r0 top (schematic designator R32)
R32C "300K" GEN_R_0402 19.225,71.45 r0 top (schematic designator R32)
R32D "300K" GEN_R_0402 19.225,91.95 r0 top (schematic designator R32)
R33A "680K" GEN_R_0402 21.075,30.45 r0 top (schematic designator R33)
R33B "680K" GEN_R_0402 21.075,50.95 r0 top (schematic designator R33)
R33C "680K" GEN_R_0402 21.075,71.45 r0 top (schematic designator R33)
R33D "680K" GEN_R_0402 21.075,91.95 r0 top (schematic designator R33)
R35A "20k" GEN_R_0402 22.925,30.45 r180 top (schematic designator R35)
R35B "20k" GEN_R_0402 22.925,50.95 r180 top (schematic designator R35)
R35C "20k" GEN_R_0402 22.925,71.45 r180 top (schematic designator R35)
R35D "20k" GEN_R_0402 22.925,91.95 r180 top (schematic designator R35)
R36 "0.01" GEN_R_0603 59.625,69.475 r0 top
R37 "220K" GEN_R_0402 64.975,73.325 r90 top
R38 "10K" GEN_R_0402 100.7,37.625 r270 top
R39 "100k" GEN_R_0402 64.8,71.475 r90 top
R41A "10" GEN_R_0603 31.5,18 r180 top (schematic designator R41)
R41B "10" GEN_R_0603 31.5,38.5 r180 top (schematic designator R41)
R41C "10" GEN_R_0603 31.5,59 r180 top (schematic designator R41)
R41D "10" GEN_R_0603 31.5,79.5 r180 top (schematic designator R41)
R42 "10K" GEN_R_0402 68.375,74.25 r180 top
R43A "10" GEN_R_0603 17.55,31.475 r270 top (schematic designator R43)
R43B "10" GEN_R_0603 17.55,51.975 r270 top (schematic designator R43)
R43C "10" GEN_R_0603 17.55,72.475 r270 top (schematic designator R43)
R43D "10" GEN_R_0603 17.55,92.975 r270 top (schematic designator R43)
R44 "10K" GEN_R_0402 68.375,74.25 r180 bottom
R46 "10K" GEN_R_0402 71.925,72.3 r270 bottom
R47A "10K" GEN_R_0402 22.4,25 r270 bottom (schematic designator R47)
R47B "10K" GEN_R_0402 22.4,45.5 r270 bottom (schematic designator R47)
R47C "10K" GEN_R_0402 22.4,66 r270 bottom (schematic designator R47)
R47D "10K" GEN_R_0402 22.4,86.5 r270 bottom (schematic designator R47)
R48A "10K" GEN_R_0402 28.775,25 r270 bottom (schematic designator R48)
R48B "10K" GEN_R_0402 28.775,45.5 r270 bottom (schematic designator R48)
R48C "10K" GEN_R_0402 28.775,66 r270 bottom (schematic designator R48)
R48D "10K" GEN_R_0402 28.775,86.5 r270 bottom (schematic designator R48)
R49A "10K" GEN_R_0402 21.5,25 r270 bottom (schematic designator R49)
R49B "10K" GEN_R_0402 21.5,45.5 r270 bottom (schematic designator R49)
R49C "10K" GEN_R_0402 21.5,66 r270 bottom (schematic designator R49)
R49D "10K" GEN_R_0402 21.5,86.5 r270 bottom (schematic designator R49)
R50A "10K" GEN_R_0402 27.875,25 r270 bottom (schematic designator R50)
R50B "10K" GEN_R_0402 27.875,45.5 r270 bottom (schematic designator R50)
R50C "10K" GEN_R_0402 27.875,66 r270 bottom (schematic designator R50)
R50D "10K" GEN_R_0402 27.875,86.5 r270 bottom (schematic designator R50)
R51A "10K" GEN_R_0402 47.025,25.55 r0 top (schematic designator R51)
R51B "10K" GEN_R_0402 47.025,46.05 r0 top (schematic designator R51)
R51C "10K" GEN_R_0402 47.025,66.55 r0 top (schematic designator R51)
R51D "10K" GEN_R_0402 47.025,87.05 r0 top (schematic designator R51)
R52A "0" GEN_R_0402 51.15,29.4 r0 top (schematic designator R52)
R52B "0" GEN_R_0402 51.15,49.9 r0 top (schematic designator R52)
R52C "0" GEN_R_0402 51.15,70.4 r0 top (schematic designator R52)
R52D "0" GEN_R_0402 51.15,90.9 r0 top (schematic designator R52)
R53A "30" GEN_R_0603 34.25,24.725 r0 top (schematic designator R53)
R53B "30" GEN_R_0603 34.25,45.225 r0 top (schematic designator R53)
R53C "30" GEN_R_0603 34.25,65.725 r0 top (schematic designator R53)
R53D "30" GEN_R_0603 34.25,86.225 r0 top (schematic designator R53)
R54A "30" GEN_R_0603 34.375,27.075 r90 top (schematic designator R54)
R54B "30" GEN_R_0603 34.375,47.575 r90 top (schematic designator R54)
R54C "30" GEN_R_0603 34.375,68.075 r90 top (schematic designator R54)
R54D "30" GEN_R_0603 34.375,88.575 r90 top (schematic designator R54)
R55A "100k" GEN_R_0402 37.75,28.325 r270 bottom (schematic designator R55)
R55B "100k" GEN_R_0402 37.75,48.825 r270 bottom (schematic designator R55)
R55C "100k" GEN_R_0402 37.75,69.325 r270 bottom (schematic designator R55)
R55D "100k" GEN_R_0402 37.75,89.825 r270 bottom (schematic designator R55)
R56A "0" GEN_R_0402 41.35,30.775 r0 top (schematic designator R56)
R56B "0" GEN_R_0402 41.35,51.275 r0 top (schematic designator R56)
R56C "0" GEN_R_0402 41.35,71.775 r0 top (schematic designator R56)
R56D "0" GEN_R_0402 41.35,92.275 r0 top (schematic designator R56)
R57 "100" GEN_R_0402 74.068,77.55 r180 top
R58 "0.01" GEN_R_0603 64.975,75.125 r0 top
R59 "261K" GEN_R_0402 66.15,71.375 r180 top
R60 "100" GEN_R_0402 75.868,77.55 r180 top
R61 "100k" GEN_R_0402 67.95,71.375 r180 top
R62 "100" GEN_R_0402 77.668,77.55 r180 top
R63 "100" GEN_R_0402 79.468,77.55 r180 top
R64 "100" GEN_R_0402 81.257,74.8 r90 top
R65A "909k" GEN_R_0402 35.65,30.625 r90 top (schematic designator R65)
R65B "909k" GEN_R_0402 35.65,51.125 r90 top (schematic designator R65)
R65C "909k" GEN_R_0402 35.65,71.625 r90 top (schematic designator R65)
R65D "909k" GEN_R_0402 35.65,92.125 r90 top (schematic designator R65)
R66 "10K" GEN_R_0402 57.3,32 r270 bottom
R67 "1K" GEN_R_0402 2.2,49.75 r270 top
R68 "0" GEN_R_0201 79.575,16.625 r270 top
R69 "0" GEN_R_0201 78.875,16.625 r270 top
R70 "0" GEN_R_0201 79.575,16.625 r270 bottom
R71 "0" GEN_R_0201 78.875,16.625 r270 bottom
R72 "0" GEN_R_0201 78.075,16.625 r270 top
R73 "0" GEN_R_0201 77.375,16.625 r270 top
R74 "0" GEN_R_0201 78.075,16.625 r270 bottom
R75 "0" GEN_R_0201 77.375,16.625 r270 bottom
R76 "0" GEN_R_0201 76.575,16.625 r270 top
R77 "0" GEN_R_0201 75.875,16.625 r270 top
R78 "0" GEN_R_0201 76.575,16.625 r270 bottom
R79 "0" GEN_R_0201 75.875,16.625 r270 bottom
R80 "0" GEN_R_0201 75.075,16.625 r270 top
R81 "0" GEN_R_0201 74.375,16.625 r270 top
R82 "0" GEN_R_0201 75.075,16.625 r270 bottom
R83 "0" GEN_R_0201 74.375,16.625 r270 bottom
R84 "49.9" GEN_R_0402 61.625,23.825 r270 bottom
R85 "49.9" GEN_R_0402 61.625,24.725 r90 top
R86 "0" GEN_R_0402 62.075,15.5 r0 bottom
R87 "0.01" GEN_R_0603 50.725,13.35 r180 bottom
R88 "0" GEN_R_0402 90.475,69.3 r0 top
R89 "10K" GEN_R_0402 91.9,80.525 r270 top
R90 "10K" GEN_R_0402 95.2,75.675 r0 top
R91 "10K" GEN_R_0402 95.2,76.625 r0 top
R92 "1K" GEN_R_0402 95.2,79.5 r180 top
R93 "1K" GEN_R_0402 95.175,74.675 r180 bottom
R94 "1K" GEN_R_0402 95.2,74.725 r180 top
R95 "0.01" GEN_R_0603 77.75,28.9 r0 bottom
R96A "909k" GEN_R_0402 33.225,23.05 r90 top (schematic designator R96)
R96B "909k" GEN_R_0402 33.225,43.55 r90 top (schematic designator R96)
R96C "909k" GEN_R_0402 33.225,64.05 r90 top (schematic designator R96)
R96D "909k" GEN_R_0402 33.225,84.55 r90 top (schematic designator R96)
R97A "0" GEN_R_0402 51.15,28.5 r0 top (schematic designator R97)
R97B "0" GEN_R_0402 51.15,49 r0 top (schematic designator R97)
R97C "0" GEN_R_0402 51.15,69.5 r0 top (schematic designator R97)
R97D "0" GEN_R_0402 51.15,90 r0 top (schematic designator R97)
R98A "90.9k" GEN_R_0402 41.35,29.7 r180 top (schematic designator R98)
R98B "90.9k" GEN_R_0402 41.35,50.2 r180 top (schematic designator R98)
R98C "90.9k" GEN_R_0402 41.35,70.7 r180 top (schematic designator R98)
R98D "90.9k" GEN_R_0402 41.35,91.2 r180 top (schematic designator R98)
R99A "90.9k" GEN_R_0402 41.325,28.775 r0 top (schematic designator R99)
R99B "90.9k" GEN_R_0402 41.325,49.275 r0 top (schematic designator R99)
R99C "90.9k" GEN_R_0402 41.325,69.775 r0 top (schematic designator R99)
R99D "90.9k" GEN_R_0402 41.325,90.275 r0 top (schematic designator R99)
R100A "2K" GEN_R_0402 35.875,26.9 r270 top (schematic designator R100)
R100B "2K" GEN_R_0402 35.875,47.4 r270 top (schematic designator R100)
R100C "2K" GEN_R_0402 35.875,67.9 r270 top (schematic designator R100)
R100D "2K" GEN_R_0402 35.875,88.4 r270 top (schematic designator R100)
R101 "10K" GEN_R_0402 85.1,36.5 r180 bottom
R102 "10K" GEN_R_0402 85.1,35.4 r180 bottom
R103 "10K" GEN_R_0402 95.5,50.8 r90 top
R104 "0.1" GEN_R_0402 96,24.5 r90 top
R105 "100k" GEN_R_0402 94.875,87.4 r180 top